# Altium PCB BC2-1AA.PcbDoc (part 1 of 2) (continued)
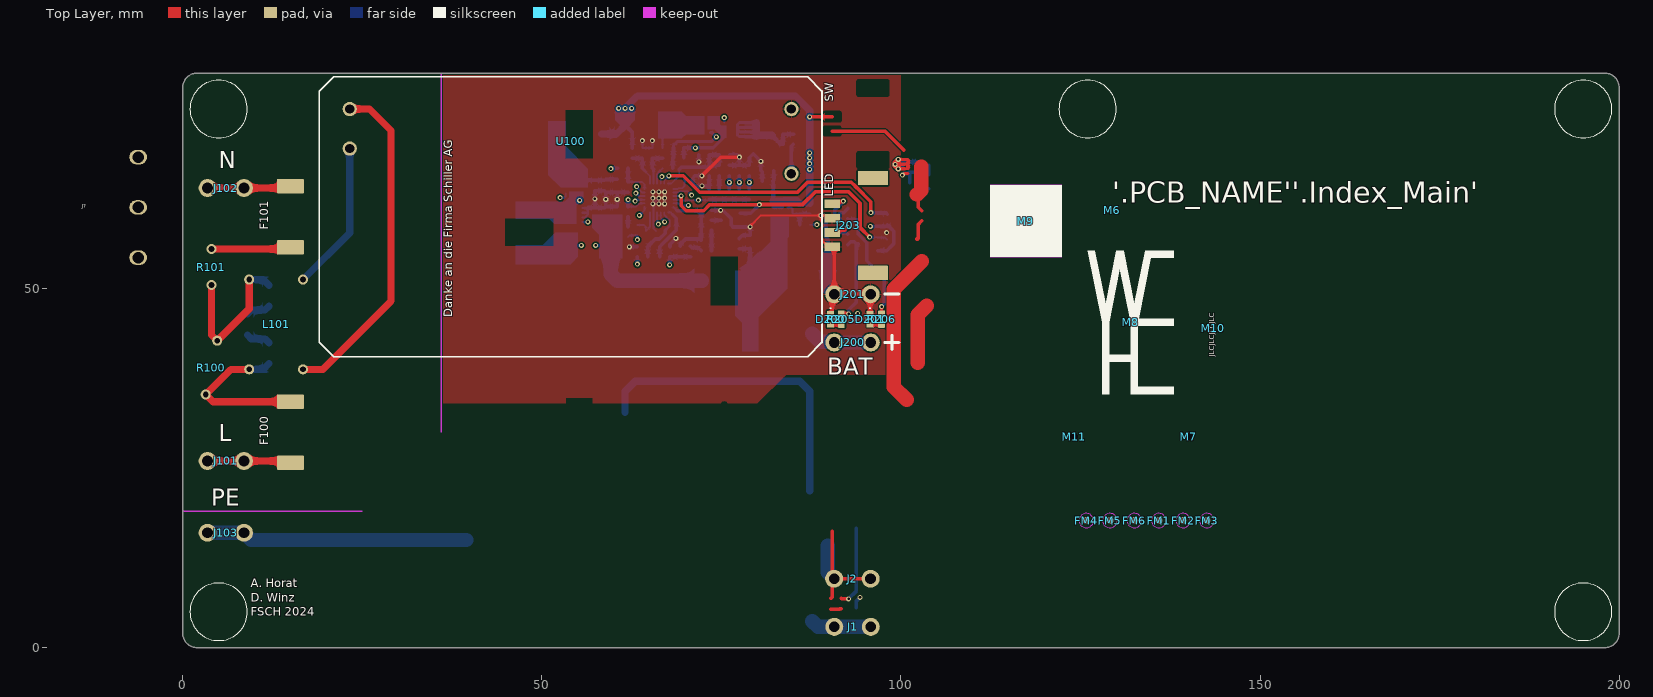
[diagram p0: Top Layer view]
## Components (designator, comment, footprint, x,y, rotation, side; value= is the part's Value field where it differs from the comment) (continued)
U200 "BQ24610" QFN050P400X400X100-24-TH245X245 66.3,62.627 r270 bottom

## Footprints (in the part's own frame and the unit in brackets; to place one, negate y for a bottom-side part, rotate by r counter-clockwise, add the part's x,y. Pads: shape width x height; smd on the part's side, far side on the other; paste and mask are expansions set on the pad)
5600200420 [mm]
  rrect10% 1.2x2.2 smd: 1(3,4.07) 2(1,4.07) 3(-1,4.07) 4(-3,4.07)
  round 1 on Top Overlay: 1(4.6,5.3)
  rrect10% 2x4.2 smd: ""(-6.6,-1.6) ""(6.6,-1.6)
  body extent -7.3,-4.66 7.3,4.49, height 8.01
CAP0603_C0G [mm]
  rrect20% 0.95x0.95 smd: 1(-0.725,0) 2(0.725,0)
  silkscreen extent -0.3,-0.7 0.3,0.7, body extent -0.8,-0.41 0.8,0.41, height 0.57
CAP0603_X7R [mm]
  rrect20% 0.95x0.95 smd: 1(-0.725,0) 2(0.725,0)
  silkscreen extent -0.3,-0.7 0.3,0.7, body extent -0.8,-0.41 0.8,0.41, height 0.57
CAP0805_X7R [mm] "Chip Capacitor 0805mil / 2012mm"
  rrect10% 1.2x1.2 smd: 1(-0.9,0) 2(0.9,0)
  silkscreen extent -0.5,-0.8 0.5,0.8, body extent -1,-0.51 1,0.51, height 0.72
DFKH-CASE-50-2 [mm] "Pin Order different than in datasheet to match Schematic symbol"
  round 1.4 hole 0.8: 1(-3.75,6.25) 2(-3.75,-6.25) 3(3.75,6.25) 4(3.75,-6.25)
  body extent -5,-7.25 5,7.25, height 13.01
DIOM7959X265 [mm] "DO-214AB"
  rrect50% 2.6x3.5 smd: 1(-3.5,0)
  rrect10% 2.6x3.5 smd: 2(3.5,0)
  silkscreen extent -5.2,-1.7 -5.2,1.7, body extent -3.95,-2.95 3.95,2.95, height 2.3
FB0603 [mm]
  rrect20% 0.95x0.95 smd: 1(-0.725,0) 2(0.725,0)
  silkscreen extent -0.3,-0.7 0.3,0.7, body extent -0.8,-0.4 0.8,0.4, height 1
FIDU-1MM [mm] "Fiducial 1mm"
  round 1 smd mask+0.5: 1(0,0)
  Top Layer keep-out circle w0.1: c0,0 r1
GSP1.9203.1 [mm] "Schurter GSP1.9203.1"
  oval 2x2.5 hole 1.6: L(-7,0) N(7,0) PE(0,0)
  round 0 hole 3.6: ""(-20,-7.3) ""(20,-7.3)
  body extent -24.8,-19.6 24.8,4.7, height 30.11
INDM660730X30 [mm]
  rrect20% 2.35x3.52 smd: 1(-3.1,0) 2(3.1,0)
  body extent -3.7,-3.4 3.7,3.3, height 3
IRM30 [mm]
  round 2 hole 1.3: 1(-30.75,15) 2(-30.75,9.5) 3(30.75,6) 4(30.75,15)
  silkscreen extent -35,-19.5 35,19.5, body extent -34.75,-19.5 34.75,19.5, height 24
JLC-ORDER [mm] "Placement of JLCPCB order number"
LED0603_GREEN [mil]
  rrect20% 31x38 smd: 1(-30,0) 2(30,0)
  silkscreen extent -59,-20 8,20, body extent -31,-16 31,16, height 31
LED0603_RED [mil]
  rrect20% 31x38 smd: 1(-30,0) 2(30,0)
  silkscreen extent -59,-20 8,20, body extent -31,-16 31,16, height 31
LOGO-WHE-20MM [mm]
  round 0.025 on Mech11: 1(-2,20) 1(-2,20) 1(-1,20) 1(-1,20) 1(0,0) 1(0,0) 1(0,10) 1(0,10) 1(0,10) 1(0.5,12.5) 1(0.5,12.5) 1(1,0) 1(1,0) 1(1,4.5) 1(1,4.5) 1(1,5.5) 1(1,5.5) 1(1,10) 1(1,10) 1(1,10) 1(2,20) 1(2,20) 1(2.5,17.5) 1(2.5,17.5) 1(3,20) 1(3,20) 1(4,0) 1(4,0) 1(4,4.5) 1(4,4.5) 1(4,5.5) 1(4,5.5) 1(4,10) 1(4,10) 1(4.5,12.5) 1(4.5,12.5) 1(5,0) 1(5,0) 1(5,1) 1(5,1) 1(5,9.5) 1(5,9.5) 1(5.1,10.5) 1(5.1,10.5) 1(6,20) 1(6,20) 1(6.8,19) 1(6.8,19) 1(7,20) 1(7,20) 1(10,0) 1(10,0) 1(10,1) 1(10,1) 1(10,9.5) 1(10,9.5) 1(10,10.5) 1(10,10.5) 1(10,19) 1(10,19) 1(10,20) 1(10,20)
  silkscreen extent -2,0 10,20
PCB-NAME-5MM-LEFT [mm]
QFN050P400X400X100-24-TH245X245 [mm]
  rrect50% 0.8x0.25 smd mask+0.038: 1(-2,1.25) 13(2,-1.25) 14(2,-0.75) 15(2,-0.25) 16(2,0.25) 17(2,0.75) 18(2,1.25)
  round 0.5 on Bottom Overlay: 1(-2,2)
  rrect10% 0.8x0.25 smd mask+0.038: 2(-2,0.75) 3(-2,0.25) 4(-2,-0.25) 5(-2,-0.75) 6(-2,-1.25)
  rrect50% 0.25x0.8 smd mask+0.038: 7(-1.25,-2) 8(-0.75,-2) 9(-0.25,-2) 10(0.25,-2) 11(0.75,-2) 12(1.25,-2) 19(1.25,2) 20(0.75,2) 21(0.25,2) 22(-0.25,2) 23(-0.75,2) 24(-1.25,2)
  rrect10% 2.45x2.45 smd mask+0.038: EP(0,0)
  body extent -2.01,-2.01 2.01,2.01, height 0.81
R0603-0.40-WW [mm]
  rrect20% 0.95x0.95 smd: 1(-0.725,0) 2(0.725,0)
  silkscreen extent -0.3,-0.7 0.3,0.7, body extent -0.8,-0.4 0.8,0.4, height 0.3
R1206-0.80-WW [mm]
  rrect20% 1.9x1.8 smd: 1(-1.45,0) 2(1.45,0)
  silkscreen extent -0.6,-1.1 0.6,1.1, body extent -1.6,-0.8 1.6,0.8, height 0.62
R2512-0.65-WW [mm]
  rrect20% 3.1x3.6 smd: 1(-3.1,0) 2(3.1,0)
  silkscreen extent -2,-2 2,2, body extent -3.2,-1.6 3.2,1.6, height 0.68
RESD500W60D115 [mm]
  round 1.4 hole 0.8: 1(-2.5,0) 2(2.5,0)
  body extent -5.72,-2.5 5.78,2.5, height 16
RESD750W80D155 [mm]
  round 1.4 hole 0.8: 1(-3.75,0.8) 2(3.75,-0.8)
  body extent -7.72,-2.45 7.78,2.45, height 18.5
SERIAL-2D-10MM-RESTRICT [mm] "Placeholder for 2D serial number (Dotmatrix or QR) / Size: 10mm"
  Top Layer keep-out region: -5,-5 5,-5 5,5 -5,5
  silkscreen extent -5,-5 5,5
SOD1608X065 [mm] "SOD523"
  rrect50% 0.35x0.5 smd: 1(-0.725,0)
  rrect10% 0.35x0.5 smd: 2(0.725,0)
  silkscreen extent -1.1,-0.2 -1.1,0.2, body extent -0.8,-0.4 0.8,0.4, height 0.65
SON065P330X330X075-5-TH245X175 [mm]
  round 0.5 on Bottom Overlay: 1(-1.6,-1.6)
  rrect10% 0.4x0.6 smd: D(-0.975,1.625) D(-0.325,1.625) D(0.325,1.625) D(0.975,1.625) G(0.975,-1.5) S(-0.975,-1.5) S(-0.325,-1.5) S(0.325,-1.5)
  rrect10% 2.45x2.03 smd: D(0,0.36)
  body extent -1.65,-1.65 1.65,1.65, height 0.75
SOT65P210X95-3-SE [mm] "SOT-323"
  round 0.2 on Bottom Overlay: 1(0.9,-1.2)
  rrect50% 0.6x0.4 smd: 1(0.95,-0.65) 2(0.95,0.65) 3(-0.95,0)
  body extent -1.1,-1.1 1.1,1.1, height 1.11
SOT2395P280X125-3-SE [mm] "SOT23-3, SC74"
  rrect25% 1x0.55 smd: 1(1.35,-0.95) 2(1.35,0.95) 3(-1.35,0)
  round 0.4 on Bottom Overlay: 1(1.6,-1.6)
  body extent -1.4,-1.45 1.4,1.45, height 1.26
Tab_THT_635 [mm]
  round 2.5 hole 1.5: 1(-2.54,0) 1(2.54,0)
  body extent -3.96,-1.54 3.96,1.54, height 10.21
TOOLING-JLC [mm] "Tooling holes as specified by JLCPCB"
  round 0 hole 1.152 unplated paste-2539.97 mask+0.65: 0(0,0)
TP_SMD_1 [mm] "Testpoint SMD 1mm"
  round 1 smd: 1(0,0)
  silkscreen extent -0.8,-0.8 0.8,0.8
UMT250 [mm]
  rrect10% 2x3.75 smd: 1(-4.25,0) 2(4.25,0)
  body extent -5.45,-1.5 5.45,1.5, height 3.01

## Part data
C100 C200 C204 C205 C217: "CAP SM 0805 10uF 50V X5R", Absolute Value=1E-5, JLC Type=Basic, Manufacturer=GENERIC, Manufacturer 1="Murata Electronics", Manufacturer Part Number 1=GRM21BR61H106KE43K, Manufacturer Part Number 3=GRM21BR61H106KE43L, Package=0805, Supplier Part Number 1=490-GRM21BR61H106KE43KCT-ND, Eurocircuits GPN=GPN0805106-50-X5R, HelpURL=https://search.murata.co.jp/Ceramy/image/img/A01X/G101/ENG/GRM21BR61H106KE43-01A.pdf, Part Number=10U/0805/50V/X5R, Supplier 1=Digi-Key, Supplier 3=LCSC, Supplier Part Number 3=C440198
C101 C201 C202 C203 C206 C208 C209 C212 C216 C218 C220 C222 C223 C225: "CAP SM 0603 100nF 50V X7R", Absolute Value=1E-7, JLC Type=Basic, Manufacturer=GENERIC, Manufacturer 1=YAGEO, Manufacturer Part Number 1=CC0603KPX7R9BB104, Manufacturer Part Number 2=CC0603MRX7R9BB104, Package=0603, Supplier Part Number 1=311-3567-1-ND, Eurocircuits GPN=GPC0603104, HelpURL=https://www.yageo.com/upload/media/product/app/datasheet/mlcc/upy-gphc_x7r_6_3v-to-250v.pdf, Manufacturer 2=YAGEO, Part Number=100N/0603/50V/X7R, Supplier 1=Digi-Key, Supplier 2=Digi-Key, Supplier 3=LCSC, Supplier Part Number 2=311-4110-1-ND, Supplier Part Number 3=C14663
C207 C210 C211 C219: "CAP SM 0603 1.0uF 50V X7R", Absolute Value=1E-6, Manufacturer=GENERIC, Manufacturer 1=YAGEO, Manufacturer Part Number 1=CC0603KRX7R9BB105, Package=0603, Supplier Part Number 1=311-2082-1-ND, Eurocircuits GPN=GPC0603105, HelpURL=https://www.yageo.com/upload/media/product/app/datasheet/mlcc/upy-gphc_x7r_6_3v-to-250v.pdf, Part Number=1.0U/0603/50V/X7R, Supplier 1=Digi-Key
C213 C224: "CAP SM 0603 10pF 50V C0G", Absolute Value=1E-11, Manufacturer=GENERIC, Manufacturer 1=YAGEO, Manufacturer Part Number 1=CC0603JRNPO9BN100, Manufacturer Part Number 2=CC0603KRNPO9BN100, Package=0603, Supplier Part Number 1=311-1058-1-ND, Eurocircuits GPN=GPC0603100-C0G, HelpURL=https://www.yageo.com/upload/media/product/productsearch/datasheet/mlcc/UPY-GP_NP0_16V-to-50V_18.pdf, Manufacturer 2=YAGEO, Part Number=10P/0603/50V/C0G, Supplier 1=Digi-Key, Supplier 2=Digi-Key, Supplier Part Number 2=311-4025-1-ND
C214 C215: "CAP SM 0805 22uF 25V X5R", Absolute Value=2.2E-5, JLC Type=Basic, Manufacturer=GENERIC, Manufacturer 1="Samsung Electro-Mechanics", Manufacturer Part Number 1=CL21A226MAYNNNE, Manufacturer Part Number 3=CL21A226MAQNNNE, Package=0805, Supplier Part Number 1=1276-CL21A226MAYNNNECT-ND, Eurocircuits GPN=GPN0805106-25, HelpURL=https://mm.digikey.com/Volume0/opasdata/d220001/medias/docus/339/CL21A226MAYNNNE_Spec.pdf, Part Number=22U/0805/25V/X5R, Supplier 1=Digi-Key, Supplier 3=LCSC, Supplier Part Number 3=C45783
C221: "CAP SM 0603 10nF 50V C0G", Absolute Value=1E-8, Manufacturer=GENERIC, Manufacturer 1=YAGEO, Manufacturer Part Number 1=CC0603JRNPO9BN103, Package=0603, Supplier Part Number 1=311-3960-1-ND, Eurocircuits GPN=GPC0603103-C0G, HelpURL=https://www.yageo.com/upload/media/product/productsearch/datasheet/mlcc/UPY-GP_NP0_16V-to-50V_18.pdf, Part Number=10N/0603/50V/C0G, Supplier 1=Digi-Key
D200: library part "LED Green 0603", "Generic LED Green 0603", Absolute Value=Green, JLC Type=Basic, Manufacturer=GENERIC, Manufacturer 1=Würth, Manufacturer 3="Everlight Elec", Manufacturer Part Number 1=150060VS75000, Manufacturer Part Number 3=19-217/GHC-YR1S2/3T, Package=603, Supplier Part Number 1=732-4980-1-ND, HelpURL=https://www.we-online.com/katalog/datasheet/150060VS75000.pdf, Part Number="LED Green 0603", Supplier 1=Digikey, Supplier 3=LCSC, Supplier Part Number 3=C72043
D201: library part "LED Red 0603", "Generic LED Red 0603", Absolute Value=Red, JLC Type=Basic, Manufacturer=GENERIC, Manufacturer 1=Würth, Manufacturer 3="Hubei KENTO Elec", Manufacturer Part Number 1=150060RS75000, Manufacturer Part Number 3=KT-0603R, Package=603, Supplier Part Number 1=732-4978-1-ND, HelpURL=https://www.we-online.com/katalog/datasheet/150060RS75000.pdf, Part Number="LED Red 0603", Supplier 1=Digikey, Supplier 3=LCSC, Supplier Part Number 3=C2286
D202: "TVS DIODE 15VWM 24.4V DO214 TR13", Absolute Value=15V, Manufacturer="Littelfuse Inc.", Manufacturer Part Number 1=5.0SMDJ15CAS, Package="DO-214AB, SMC", Supplier Part Number 1=18-5.0SMDJ15CASCT-ND, HelpURL=https://m.littelfuse.com/~/media/electronics/datasheets/tvs_diodes/littelfuse_tvs_diode_5_0smdjxxs_datasheet.pdf.pdf, Manufacturer 1="Littelfuse Inc.", Manufacturer 2="Littelfuse Inc.", Manufacturer Part Number 2=5.0SMDJ15CA, Part Number=5.0SMDJ15CA, Supplier 1=Digikey, Supplier 2=Digikey, Supplier Part Number 2=5.0SMDJ15CACT-ND
D203: "Small Signal Schottky Diode", Absolute Value=70V, JLC Type=Extended, Manufacturer=Vishay, Manufacturer 1="Vishay General Semiconductor - Diodes Division", Manufacturer 3="Vishay Intertech", Package=SOD523, Supplier Part Number 1=112-BAS70-02V-G3-08CT-ND, HelpURL=https://www.vishay.com/docs/85652/bas70-02v.pdf, Manufacturer Part Number 1=BAS70-02V-G3-08, Manufacturer Part Number 3=BAS70-02V-G3-08, Part Number=BAS70-02V-G3-08, Supplier 1=Digikey, Supplier 3=LCSC, Supplier Part Number 3=C3313114
D204: "CAN bus ESD protection diode", Absolute Value=24V, Manufacturer="Nexperia USA Inc.", Manufacturer 3=Nexperia, Package=SOT323, Supplier Part Number 1=1727-1306-1-ND, HelpURL=https://assets.nexperia.com/documents/data-sheet/PESD1CAN-U.pdf, Manufacturer 1="Nexperia USA Inc.", Manufacturer Part Number 1=PESD1CAN-UX, Manufacturer Part Number 3=PESD1CAN-UX, Part Number=PESD1CAN-UX, Supplier 1=Digikey, Supplier 3=LCSC, Supplier Part Number 3=C152727
F100 F101: "Fuse 250VAC 3.15A UMT250", Absolute Value=3.15, Manufacturer=Schurter, Manufacturer Part Number 1=3403.0171.24, Package=UMT250, Supplier Part Number 1=486-3482-1-ND, HelpURL=https://www.schurter.com/en/datasheet/typ_UMT_250.pdf, Manufacturer 1=Schurter, Part Number=3.15A/UMT250/FUSE, Supplier 1=Digi-Key
F200: "Fuse 250VAC 6.3A UMT250", Absolute Value=6.3, Manufacturer=Schurter, Manufacturer Part Number 1=3403.0174.24, Package=UMT250, Supplier Part Number 1=486-3484-1-ND, HelpURL=https://www.schurter.com/en/datasheet/typ_UMT_250.pdf, Manufacturer 1=Schurter, Part Number=6.3A/UMT250/FUSE, Supplier 1=Digi-Key
FM1 FM2 FM3 FM4 FM5 FM6: "Fiducial 1mm", Manufacturer=NONE, Part Number=Fidu_1mm
J1 J2 J101 J102 J103 J200 J201: library part Tab_025_THT, "CONN QC TAB 0.250 SOLDER", Manufacturer=GENERIC, Manufacturer 1="TE Connectivity AMP Connectors", Manufacturer 3="TE Connectivity", Manufacturer Part Number 1=1217861-1, Supplier Part Number 1=A100452CT-ND, HelpURL=https://www.te.com/usa-en/product-1217861-1.datasheet.pdf, Manufacturer Part Number 3=1217861-1, Part Number=Tab_025_THT, Supplier 1=Digi-Key, Supplier 3=LCSC, Supplier Part Number 3=C428480
J203: library part DuraClick_1x4_VERT_SMD, "DuraClik Wire-to-Board Header, Single Row, Vertical, 4 Circuits, Tin (Sn) Over Nickel, Natural", Manufacturer=Molex, Supplier Part Number 1=WM10864CT-ND, HelpURL=https://www.molex.com/en-us/products/part-detail/5600200420, Manufacturer 1=Molex, Manufacturer Part Number 1=5600200420, Part Number=DuraClick_1x4_VERT_SMD, Supplier 1=Digi-Key
J?: "IEC Gerätestecker C14 oder C18, Schraubmontage, rückseitig, PCB-Anschlüsse", Manufacturer=Schurter, Supplier Part Number 1=486-4820-ND, HelpURL=https://www.schurter.com/de/datasheet/GSP1, Manufacturer 1=Schurter, Manufacturer Part Number 1=GSP1.9203.1, Part Number=GSP1.9203.1, Supplier 1=Digi-Key
L100: "30R@100MHz 5A 0603 Ferrite", Absolute Value=1000, Manufacturer=GENERIC, Manufacturer 1="Laird-Signal Integrity Products", Manufacturer Part Number 1=HI0603R300R-10, Package=603, Supplier Part Number 1=240-HI0603R300R-10CT-ND, HelpURL=https://www.laird.com/document/datasheet/hi0603r300r-10-datasheet, Part Number=30R/0603/FERRITE, Supplier 1=Digi-Key
L101: "CMC 1mH 2A THT Schurter DFKH-14-0003", Manufacturer=SCHURTER, Manufacturer 1="SCHURTER Inc.", Manufacturer Part Number 1=DFKH-14-0003, Package=15X10.5mm, Supplier Part Number 1=486-3121-ND, HelpURL=https://www.schurter.com/en/datasheet/typ_DFKH.pdf, Part Number=1MH/THT/CMC, Supplier 1=Digi-Key
L200 L202: "FIXED IND 470NH 16.5 A 5.5 MOHM SMD", Absolute Value=4.7E-7, Manufacturer=GENERIC, Manufacturer 1="Pulse Electronics", Manufacturer Part Number 1=BMRA00060630R47MA1, Package=6030, Supplier Part Number 1=553-BMRA00060630R47MA1CT-ND, HelpURL=https://productfinder.pulseelectronics.com/api/open/part-attachments/datasheet/BMRA00060630R47MA1, Part Number=470NH/6630, Supplier 1=Digi-Key
L201: "FIXED IND 22UH     3 A 145 MOHM SMD", Absolute Value=2.2E-5, Manufacturer=GENERIC, Manufacturer 1="Pulse Electronics", Manufacturer Part Number 1=BMRA00060630220MA1, Package=6030, Supplier Part Number 1=553-BMRA00060630220MA1CT-ND, HelpURL=https://productfinder.pulseelectronics.com/api/open/part-attachments/datasheet/BMRA00060630220MA1, Part Number=22UH/6630, Supplier 1=Digi-Key
M6: library part "PCB NAME 5mm L", "PCB name, 5mm text height, left-aligned", Manufacturer=NONE, Part Number="PCB NAME 5mm L"
M7 M11: "Tooling hole for JLC (1.152mm)", Manufacturer=NONE, Part Number="Tooling JLC"
M8: library part "LOGO WHE 20MM", "WHE logo, size 20mm", Manufacturer=NONE, Part Number="LOGO WHE 20MM"
M9: library part "SERIAL 2D 10MM RESTRICT", "2D Serial number placeholder, Dotmatrix or QR, size: 10mm, restriction on top layer", Manufacturer=NONE, Part Number="SERIAL 2D 10MM RESTRICT"
M10: library part "ORDER NO JLC", "Order number, JLC as per requirement", Manufacturer=NONE, Part Number="ORDER NO JLC"
Q200 Q201 Q202: "40V 35A P-Channel MOSFET", Manufacturer="Micro Commercial Co", Manufacturer Part Number 1=353-MCG35P04-TPCT-ND, Package=8-PowerVDFN, HelpURL=https://www.mccsemi.com/pdf/Products/MCG35P04(DFN3333).pdf, Manufacturer 1="Micro Commercial Co", Part Number=MCG35P04-TP, Supplier 1=Digi-Key, Supplier Part Number 1=353-MCG35P04-TPCT-ND
Q203 Q204: "N-Kanal 100 V 35 A (Tc) 52W (Tc) Oberflächenmontage 8-PPAK (3,1x3,05)", Manufacturer="Good-Ark Semiconductor", Package=8-PowerVDFN, Supplier Part Number 1=4786-GSFN1036CT-ND, HelpURL=https://goodarksemi.com/docs/datasheets/mosfets/GSFN1036.pdf, Manufacturer 1="Good-Ark Semiconductor", Manufacturer Part Number 1=GSFN1036, Part Number=GSFN1036, Supplier 1=Digi-Key
Q205: "60V 115mA 1.2Ω@10V,500mA 200mW 2.1V@250uA N Channel SOT-23 MOSFETs", JLC Type=Extended, Manufacturer=GENERIC, Manufacturer 1="Nexperia USA Inc.", Manufacturer 3=JSMSEMI, Manufacturer Part Number 1=2N7002NXAKR, Package=SOT23, Supplier Part Number 1=1727-8643-1-ND, HelpURL=https://assets.nexperia.com/documents/data-sheet/2N7002NXAK.pdf, Manufacturer Part Number 3=JSMSEMI, Part Number=2N7002, Supplier 1=Digi-Key, Supplier 3=LCSC, Supplier Part Number 3=C916396
Q206 Q207: "50V P-Channel MOSFET", JLC Type=Extended, Manufacturer=GENERIC, Manufacturer 1="Good-Ark Semiconductor", Manufacturer 3="Jiangsu Changjing Electronics Technology Co., Ltd.", Package=SOT23, Supplier Part Number 1=4786-BSS84CT-ND, HelpURL=https://goodarksemi.com/docs/datasheets/mosfets/BSS84.pdf, Manufacturer Part Number 1=BSS84, Manufacturer Part Number 3=BSS84, Part Number=BSS84, Supplier 1=Digi-Key, Supplier 3=LCSC, Supplier Part Number 3=C114481
R100: "VARISTOR 391V 6kA", Absolute Value=391, Manufacturer=GENERIC, Manufacturer 1="Panasonic Electronic Components", Package=7.5mm, Supplier Part Number 1=P7266-ND, HelpURL=https://industrial.panasonic.com/cdbs/www-data/pdf/AWA0000/AWA0000C1.pdf, Manufacturer Part Number 1=ERZ-V14D391, Part Number=ERZ-V14D391, Supplier 1=Digi-Key
R101: "RES NTC THT 5 25R", Absolute Value=25, Manufacturer=GENERIC, Manufacturer 1="EPCOS - TDK Electronics", Manufacturer Part Number 1=B57236S0250M000, Package=5mm, Supplier Part Number 1=495-3048-ND, HelpURL=https://product.tdk.com/system/files/dam/doc/product/protection/current/ntc-limiter/data_sheet/50/db/icl_16/s236.pdf, Part Number=25R/THT/NTC, Supplier 1=Digi-Key
R102: "RES SM 0603 1M", Absolute Value=1000000, JLC Type=Basic, Manufacturer=GENERIC, Manufacturer 1=YAGEO, Manufacturer 3="UNI-ROYAL(Uniroyal Elec)", Manufacturer Part Number 1=RC0603FR-131ML, Manufacturer Part Number 2=RC0603FR-101ML, Manufacturer Part Number 3=0603WAF1004T5E, Package=0603, Supplier Part Number 1=13-RC0603FR-131MLCT-ND, Eurocircuits GPN=GPR06031M, HelpURL=https://www.yageo.com/upload/media/product/app/datasheet/rchip/pyu-rc_group_51_rohs_l.pdf, Manufacturer 2=YAGEO, Part Number=1M/0603, Supplier 1=Digi-Key, Supplier 2=Digi-Key, Supplier 3=C22935, Supplier Part Number 2=13-RC0603FR-101MLCT-ND, Supplier Part Number 3=LCSC
R104 R105 R106: "RES SM 1206 330K", Absolute Value=330000, Manufacturer=GENERIC, Manufacturer 1=YAGEO, Manufacturer Part Number 1=RC1206FR-07330KL, Package=1206, Supplier Part Number 1=311-330KFRCT-ND, HelpURL=https://www.yageo.com/upload/media/product/products/datasheet/rchip/PYu-RC_Group_51_RoHS_L_12.pdf, Part Number=330K/1206, Supplier 1=Digi-Key
R200 R208: "RES SM 2512 0R025", Absolute Value=0.025, Manufacturer=GENERIC, Manufacturer 1=Ohmite, Manufacturer Part Number 1=MCS3264R025FER, Package=2512, Supplier Part Number 1=MCS3264R025FERCT-ND, HelpURL=https://www.ohmite.com/assets/docs/res_mcs.pdf?r=false, Part Number=0R025/2512, Supplier 1=Digi-Key
R201 R202 R207 R231: "RES SM 0603 100K", Absolute Value=100000, JLC Type=Basic, Manufacturer=GENERIC, Manufacturer 1=YAGEO, Manufacturer 3="UNI-ROYAL(Uniroyal Elec)", Manufacturer Part Number 1=RC0603FR-13100KL, Manufacturer Part Number 2=RC0603FR-10100KL, Manufacturer Part Number 3=0603WAF1003T5E, Package=0603, Supplier Part Number 1=13-RC0603FR-13100KLCT-ND, Eurocircuits GPN=GPR0603100K, HelpURL=https://www.yageo.com/upload/media/product/productsearch/datasheet/rchip/PYu-RC_Group_51_RoHS_L_12.pdf, Manufacturer 2=YAGEO, Part Number=100K/0603, Supplier 1=Digi-Key, Supplier 2=Digi-Key, Supplier 3=LCSC, Supplier Part Number 2=13-RC0603FR-10100KLCT-ND, Supplier Part Number 3=C25803
R203 R204: "RES SM 0603 1K", Absolute Value=1000, JLC Type=Basic, Manufacturer=GENERIC, Manufacturer 1=YAGEO, Manufacturer 3="UNI-ROYAL(Uniroyal Elec)", Manufacturer Part Number 1=RC0603FR-131KL, Manufacturer Part Number 2=RC0603FR-101KL, Manufacturer Part Number 3=0603WAF1001T5E, Package=0603, Supplier Part Number 1=13-RC0603FR-131KLCT-ND, Eurocircuits GPN=GPR06031K, HelpURL=https://www.yageo.com/upload/media/product/app/datasheet/rchip/pyu-rc_group_51_rohs_l.pdf, Manufacturer 2=YAGEO, Part Number=1K/0603, Supplier 1=Digi-Key, Supplier 2=Digi-Key, Supplier 3=LCSC, Supplier Part Number 2=13-RC0603FR-101KLCT-ND, Supplier Part Number 3=C21190
R205 R206 R224: "RES SM 0603 2K2", Absolute Value=2200, Manufacturer=GENERIC, Manufacturer 1=YAGEO, Manufacturer Part Number 1=RC0603FR-132K2L, Manufacturer Part Number 2=RC0603FR-102K2L, Manufacturer Part Number 3=RC0603JR-072K2L, Package=0603, Supplier Part Number 1=13-RC0603FR-132K2LCT-ND, Eurocircuits GPN=GPR06032K2, HelpURL=https://www.yageo.com/upload/media/product/app/datasheet/rchip/pyu-rc_group_51_rohs_l.pdf, Manufacturer 2=YAGEO, Manufacturer 3=YAGEO, Part Number=2K2/0603, Supplier 1=Digi-Key, Supplier 2=Digi-Key, Supplier 3=LCSC, Supplier Part Number 2=13-RC0603FR-102K2LCT-ND, Supplier Part Number 3=C113303
R209 R226: "RES SM 0603 10R", Absolute Value=10, Manufacturer=GENERIC, Manufacturer 1=YAGEO, Manufacturer Part Number 1=RC0603FR-1310RL, Manufacturer Part Number 2=RC0603FR-1010RL, Package=0603, Supplier Part Number 1=13-RC0603FR-1310RLCT-ND, Eurocircuits GPN=GPR060310R, HelpURL=https://www.yageo.com/upload/media/product/app/datasheet/rchip/pyu-rc_group_51_rohs_l.pdf, Manufacturer 2=YAGEO, Part Number=10R/0603, Supplier 1=Digi-Key, Supplier 2=Digi-Key, Supplier Part Number 2=13-RC0603FR-1010RLCT-ND
R210: "RES SM 0603 51K", Absolute Value=51000, JLC Type=Basic, Manufacturer=GENERIC, Manufacturer 1=YAGEO, Manufacturer Part Number 1=RC0603FR-1351KL, Manufacturer Part Number 2=RC0603FR-1051KL, Package=0603, Supplier Part Number 1=13-RC0603FR-1351KLCT-ND, Eurocircuits GPN=GPR060351K, HelpURL=https://www.yageo.com/upload/media/product/app/datasheet/rchip/pyu-rc_group_51_rohs_l.pdf, Manufacturer 2=YAGEO, Part Number=51K/0603, Supplier 1=Digi-Key, Supplier 2=Digi-Key, Supplier 3=LCSC, Supplier Part Number 2=13-RC0603FR-1051KLCT-ND, Supplier Part Number 3=C2933234
R211: "RES SM 0603 680K", Absolute Value=680000, Manufacturer=GENERIC, Manufacturer 1=YAGEO, Manufacturer Part Number 1=RC0603FR-13680KL, Manufacturer Part Number 2=RC0603FR-07680KL, Package=0603, Supplier Part Number 1=13-RC0603FR-13680KLCT-ND, Eurocircuits GPN=GPR0603680K, HelpURL=https://www.yageo.com/upload/media/product/app/datasheet/rchip/pyu-rc_group_51_rohs_l.pdf, Manufacturer 2=YAGEO, Part Number=680K/0603, Supplier 1=Digi-Key, Supplier 2=Digi-Key, Supplier Part Number 2=311-680KHRCT-ND
R212 R217: "RES NTC SM 0603 100k 4700K", Absolute Value=100000, Manufacturer=GENERIC, Manufacturer 1="Panasonic Electronic Components", Manufacturer Part Number 1=ERT-J1VV104F, Package=0603, Supplier Part Number 1=P124047CT-ND, HelpURL=https://industrial.panasonic.com/cdbs/www-data/pdf/AUA0000/AUA0000C8.pdf, Part Number=100K/0603/NTC/4700K, Supplier 1=Digi-Key
R213: "RES SM 0603 47K", Absolute Value=47000, JLC Type=Basic, Manufacturer=GENERIC, Manufacturer 1=YAGEO, Manufacturer 3="UNI-ROYAL(Uniroyal Elec)", Manufacturer Part Number 1=RC0603FR-1347KL, Manufacturer Part Number 2=RC0603FR-1047KL, Manufacturer Part Number 3=0603WAF4702T5E, Package=0603, Supplier Part Number 1=13-RC0603FR-1347KLCT-ND, Eurocircuits GPN=GPR060347K, HelpURL=https://www.yageo.com/upload/media/product/app/datasheet/rchip/pyu-rc_group_51_rohs_l.pdf, Manufacturer 2=YAGEO, Part Number=47K/0603, Supplier 1=Digi-Key, Supplier 2=Digi-Key, Supplier 3=LCSC, Supplier Part Number 2=13-RC0603FR-1047KLCT-ND, Supplier Part Number 3=C25819
R214: "RES SM 0603 110K", Absolute Value=110000, Manufacturer=GENERIC, Manufacturer 1=YAGEO, Manufacturer Part Number 1=RC0603FR-13110KL, Manufacturer Part Number 2=RC0603FR-07110KL, Package=0603, Supplier Part Number 1=13-RC0603FR-13110KLCT-ND, Eurocircuits GPN=GPR0603110K, HelpURL=https://www.yageo.com/upload/media/product/productsearch/datasheet/rchip/PYu-RC_Group_51_RoHS_L_12.pdf, Manufacturer 2=YAGEO, Part Number=110K/0603, Supplier 1=Digi-Key, Supplier 2=Digi-Key, Supplier Part Number 2=311-110KHRCT-ND
R215: "RES SM 0603 20K", Absolute Value=20000, Manufacturer=GENERIC, Manufacturer 1=YAGEO, Manufacturer Part Number 1=RC0603FR-1320KL, Manufacturer Part Number 2=RC0603FR-1020KL, Package=0603, Supplier Part Number 1=13-RC0603FR-1320KLCT-ND, Eurocircuits GPN=GPR060320K, HelpURL=https://www.yageo.com/upload/media/product/app/datasheet/rchip/pyu-rc_group_51_rohs_l.pdf, Manufacturer 2=YAGEO, Part Number=20K/0603, Supplier 1=Digi-Key, Supplier 2=Digi-Key, Supplier Part Number 2=13-RC0603FR-1020KLCT-ND
R216: "RES SM 0603 3M3", Absolute Value=3300000, Manufacturer=GENERIC, Manufacturer 1=YAGEO, Manufacturer Part Number 1=RC0603FR-073M3L, Package=0603, Supplier Part Number 1=13-RC0603FR-073M3LCT-ND, Eurocircuits GPN=GPR06033M3, HelpURL=https://www.yageo.com/upload/media/product/app/datasheet/rchip/pyu-rc_group_51_rohs_l.pdf, Part Number=3M3/0603, Supplier 1=Digi-Key
R218 R219: "RES SM 0603 150K", Absolute Value=150000, JLC Type=Basic, Manufacturer=GENERIC, Manufacturer 1=YAGEO, Manufacturer 3="UNI-ROYAL(Uniroyal Elec)", Manufacturer Part Number 1=RC0603FR-13150KL, Manufacturer Part Number 2=RC0603FR-10150KL, Manufacturer Part Number 3=0603WAF1503T5E, Package=0603, Supplier Part Number 1=13-RC0603FR-13150KLCT-ND, Eurocircuits GPN=GPR0603150K, HelpURL=https://www.yageo.com/upload/media/product/app/datasheet/rchip/pyu-rc_group_51_rohs_l.pdf, Manufacturer 2=YAGEO, Part Number=150K/0603, Supplier 1=Digi-Key, Supplier 2=Digi-Key, Supplier 3=LCSC, Supplier Part Number 2=13-RC0603FR-10150KLCT-ND, Supplier Part Number 3=C22807
R220: "RES SM 0603 75K", Absolute Value=75000, JLC Type=Basic, Manufacturer=GENERIC, Manufacturer 1=YAGEO, Manufacturer Part Number 1=RC0603FR-1375KL, Manufacturer Part Number 2=RC0603FR-1075KL, Manufacturer Part Number 3=RC0603FR-0775KL, Package=0603, Supplier Part Number 1=13-RC0603FR-1375KLCT-ND, Eurocircuits GPN=GPR060375K, HelpURL=https://www.yageo.com/upload/media/product/app/datasheet/rchip/pyu-rc_group_51_rohs_l.pdf, Manufacturer 2=YAGEO, Manufacturer 3=YAGEO, Part Number=75K/0603, Supplier 1=Digi-Key, Supplier 2=Digi-Key, Supplier 3=LCSC, Supplier Part Number 2=13-RC0603FR-1075KLCT-ND, Supplier Part Number 3=C114636
R221: "RES SM 0603 16K", Absolute Value=16000, Manufacturer=GENERIC, Manufacturer 1=YAGEO, Manufacturer Part Number 1=RC0603FR-1316KL, Manufacturer Part Number 2=RC0603FR-1016KL, Package=0603, Supplier Part Number 1=13-RC0603FR-1316KLCT-ND, Eurocircuits GPN=GPR060316K, HelpURL=https://www.yageo.com/upload/media/product/productsearch/datasheet/rchip/PYu-RC_Group_51_RoHS_L_12.pdf, Manufacturer 2=YAGEO, Part Number=16K/0603, Supplier 1=Digi-Key, Supplier 2=Digi-Key, Supplier Part Number 2=13-RC0603FR-1016KLCT-ND